# Altium PCB InfraredModule-批量.PcbDoc (part 1 of 2)
Units mm, origin at the board's own origin, x right, y up, seen from the top; angles counter-clockwise.
Board outline 90 x 53 mm, 2 copper layers (Top Layer, Bottom Layer); 324 components, 29 nets, 1102 pads, 540 vias.
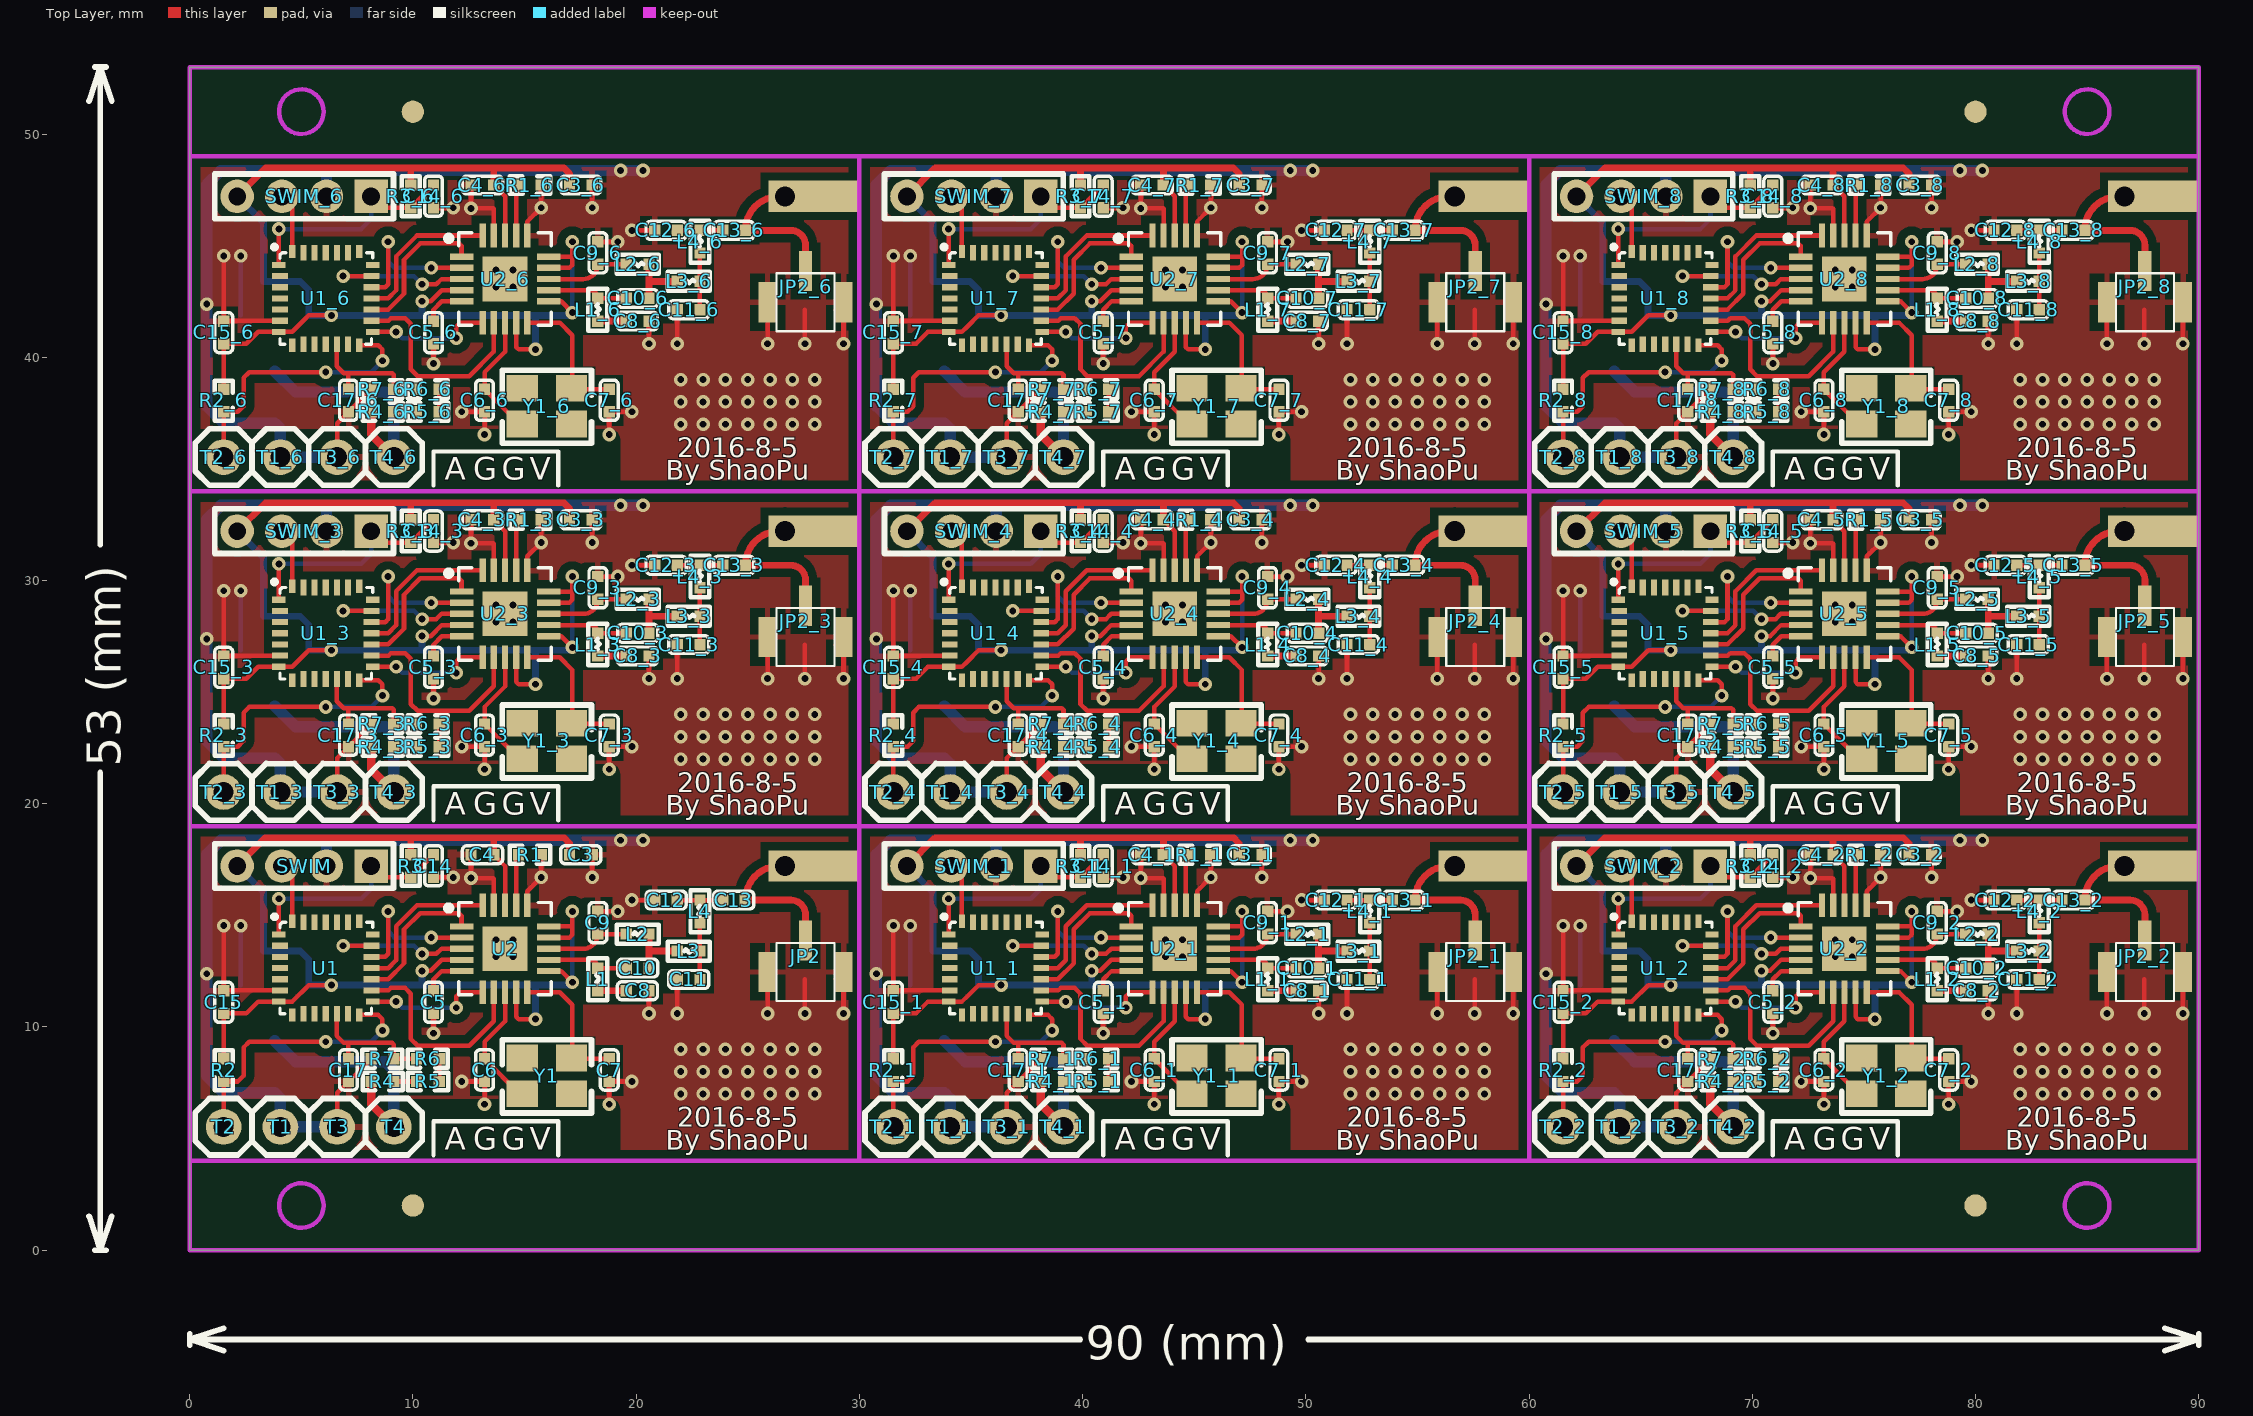
[diagram p0: Top Layer view]
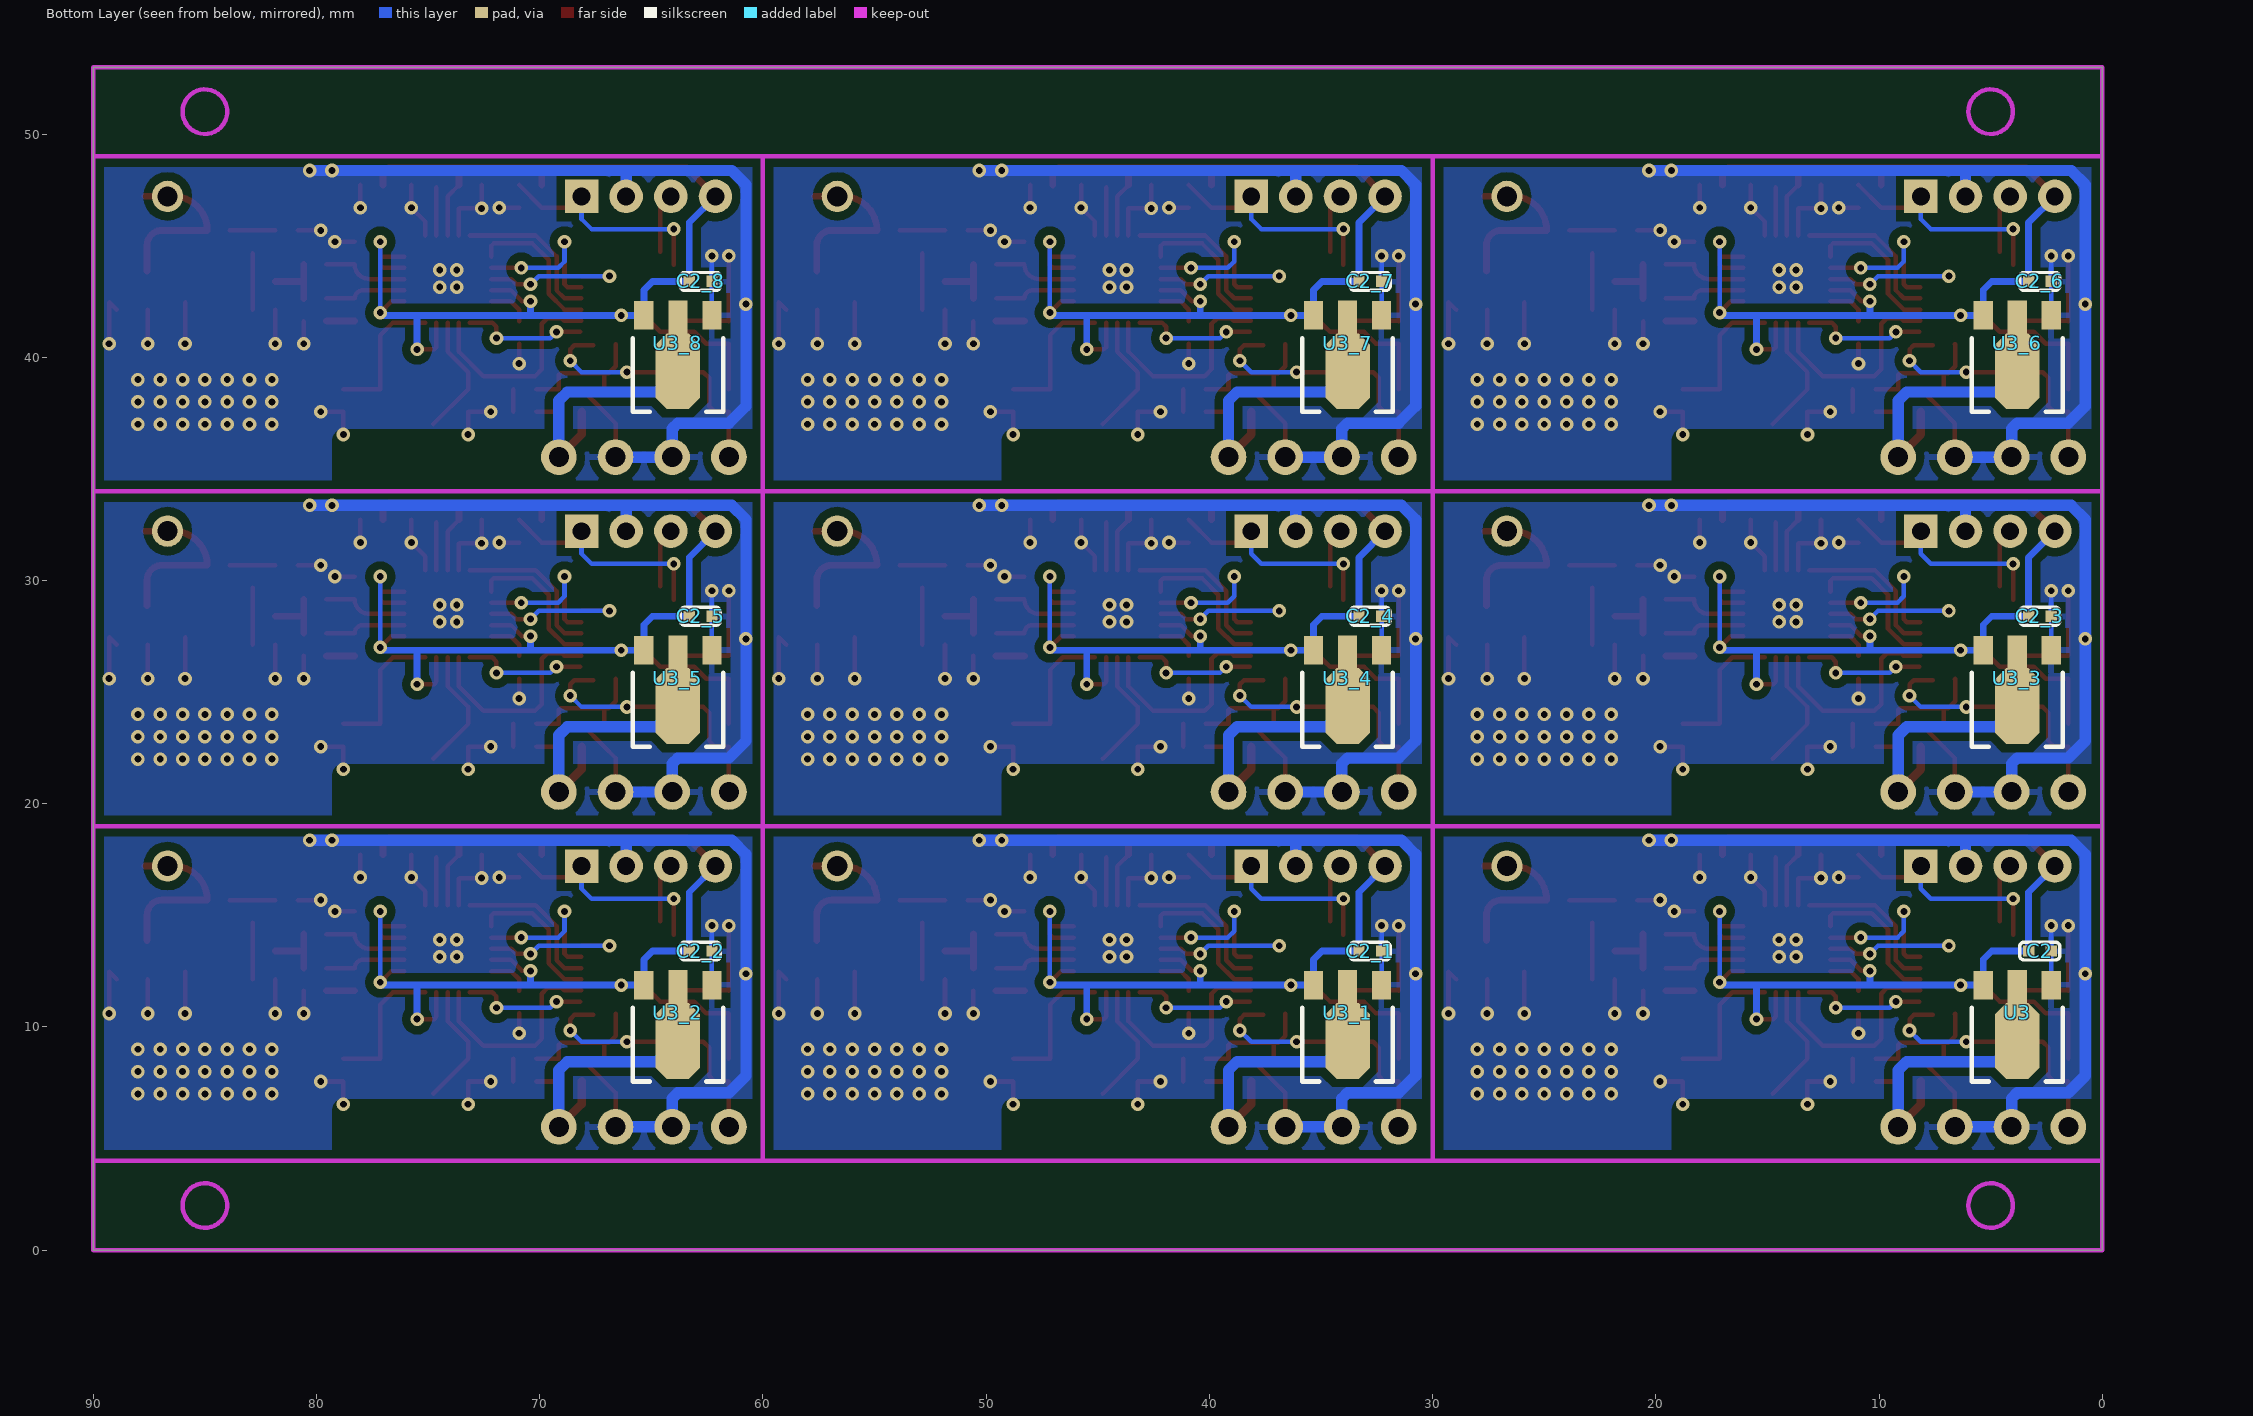
[diagram p1: Bottom Layer view, seen from below]

## Layer stack, top to bottom
Top Layer: signal copper 0.0356
Dielectric: dielectric 0.32, FR-4, Dk 4.8
Bottom Layer: signal copper 0.0356

## Board outline
0,0 0,53 90,53 90,0

## Design rules (kind name [scope] priority, off if disabled: settings)
Clearance "InPolygon TO InPolygon" [IsRegion vs InPolygon] p1: gap=0.762
Clearance Clearance_InPolygon [InPolygon] p2: gap=0.381
Clearance Clearance_IsKeepOut [IsKeepOut] p3: gap=0.152
Clearance Clearance_IsPad [IsPad] p4: gap=0.152
Clearance Clearance_IsVia [IsVia] p5: gap=0.152
Clearance [All] p6: gap=0.152
ComponentClearance [All] p1 off: gap=0.254 collisioncheckmode=3 verticalgap=0.254 showdistances=FALSE
HoleSize [All] p1: absolutevalues=TRUE maxlimit=5.08 minlimit=0.152 maxpercent=80.000 minpercent=20.000
HoleToHoleClearance [All] p1 off: gap=0.254 allowstackedmicrovias=TRUE
MinimumSolderMaskSliver [All] p1 off: minsoldermaskwidth=0.254
PlaneClearance [All] p1: clearance=0.305
PlaneConnect PlaneConnect_IsVia [IsVia] p1: planeconnectstyle=Direct reliefexpansion=0.508 reliefentries=4 reliefconductorwidth=0.254 reliefairgap=0.254
PlaneConnect [All] p2: planeconnectstyle=Relief reliefexpansion=0.508 reliefentries=4 reliefconductorwidth=0.254 reliefairgap=0.254
PolygonConnect PolygonConnect_Direct [InNetClass('去除地')] p1: connectstyle=Direct reliefconductorwidth=0.254 reliefentries=4 polygonreliefangle="90 Angle"
PolygonConnect PolygonConnect_IsVia [IsVia] p2: connectstyle=Direct reliefconductorwidth=0.254 reliefentries=4 polygonreliefangle="90 Angle"
PolygonConnect PolygonConnect_IsThruPin [IsThruPin vs InNet('GND')] p3: connectstyle=Relief reliefconductorwidth=0.254 reliefentries=4 polygonreliefangle="90 Angle"
PolygonConnect PolygonConnect_IsSMTPin [IsSMTPin vs InNet('GND')] p4: connectstyle=Relief reliefconductorwidth=0.254 reliefentries=4 polygonreliefangle="90 Angle"
RoutingVias [All] p1: holewidth=0.305 width=0.61 viastyle="Through Hole" minholewidth=0.305 minwidth=0.61 maxholewidth=5.08 maxwidth=12.7
SilkToSilkClearance [All] p1 off: silktosilkclearance=0.254
SilkscreenOverComponentPads [All] p1 off: minsilkscreentomaskgap=0.254
SolderMaskExpansion [All] p1: expansion=0.102
Width [All] p1: maxlimit=12.7 minlimit=0.152 preferedwidth=0.254
20 further rules are at their usual default settings.

## Classes and differential pairs
component class InfraredModule: C2 C3 C4 C5 C6 C7 C8 C9 C10 C11 C12 C13 C14 C15 C17 L1 L2 L3 L4 LED R1 R2 R3 R4 R5 R6 R7 R8 R9 SWIM T1 T2 T3 T4 U1 U2 U3 U4 Y1

## Components (designator, comment, footprint, x,y, rotation, side; value= is the part's Value field where it differs from the comment)
C2 "104" C0402 3.302,13.398 r180 bottom
C2_1 "104" C0402 33.302,13.398 r180 bottom (schematic designator C2)
C2_2 "104" C0402 63.302,13.398 r180 bottom (schematic designator C2)
C2_3 "104" C0402 3.302,28.398 r180 bottom (schematic designator C2)
C2_4 "104" C0402 33.302,28.398 r180 bottom (schematic designator C2)
C2_5 "104" C0402 63.302,28.398 r180 bottom (schematic designator C2)
C2_6 "104" C0402 3.302,43.398 r180 bottom (schematic designator C2)
C2_7 "104" C0402 33.302,43.398 r180 bottom (schematic designator C2)
C2_8 "104" C0402 63.302,43.398 r180 bottom (schematic designator C2)
C3 "104" C0402 17.018,17.716 r0 top
C3_1 "104" C0402 47.018,17.716 r0 top (schematic designator C3)
C3_2 "104" C0402 77.018,17.716 r0 top (schematic designator C3)
C3_3 "104" C0402 17.018,32.716 r0 top (schematic designator C3)
C3_4 "104" C0402 47.018,32.716 r0 top (schematic designator C3)
C3_5 "104" C0402 77.018,32.716 r0 top (schematic designator C3)
C3_6 "104" C0402 17.018,47.716 r0 top (schematic designator C3)
C3_7 "104" C0402 47.018,47.716 r0 top (schematic designator C3)
C3_8 "104" C0402 77.018,47.716 r0 top (schematic designator C3)
C4 "104" C0402 13.619,17.716 r180 top
C4_1 "104" C0402 43.619,17.716 r180 top (schematic designator C4)
C4_2 "104" C0402 73.619,17.716 r180 top (schematic designator C4)
C4_3 "104" C0402 13.619,32.716 r180 top (schematic designator C4)
C4_4 "104" C0402 43.619,32.716 r180 top (schematic designator C4)
C4_5 "104" C0402 73.619,32.716 r180 top (schematic designator C4)
C4_6 "104" C0402 13.619,47.716 r180 top (schematic designator C4)
C4_7 "104" C0402 43.619,47.716 r180 top (schematic designator C4)
C4_8 "104" C0402 73.619,47.716 r180 top (schematic designator C4)
C5 "104" C0402 10.922,10.604 r90 top
C5_1 "104" C0402 40.922,10.604 r90 top (schematic designator C5)
C5_2 "104" C0402 70.922,10.604 r90 top (schematic designator C5)
C5_3 "104" C0402 10.922,25.604 r90 top (schematic designator C5)
C5_4 "104" C0402 40.922,25.604 r90 top (schematic designator C5)
C5_5 "104" C0402 70.922,25.604 r90 top (schematic designator C5)
C5_6 "104" C0402 10.922,40.604 r90 top (schematic designator C5)
C5_7 "104" C0402 40.922,40.604 r90 top (schematic designator C5)
C5_8 "104" C0402 70.922,40.604 r90 top (schematic designator C5)
C6 "12pF" C0402 13.208,8.572 r270 top
C6_1 "12pF" C0402 43.208,8.572 r270 top (schematic designator C6)
C6_2 "12pF" C0402 73.208,8.572 r270 top (schematic designator C6)
C6_3 "12pF" C0402 13.208,23.572 r270 top (schematic designator C6)
C6_4 "12pF" C0402 43.208,23.572 r270 top (schematic designator C6)
C6_5 "12pF" C0402 73.208,23.572 r270 top (schematic designator C6)
C6_6 "12pF" C0402 13.208,38.572 r270 top (schematic designator C6)
C6_7 "12pF" C0402 43.208,38.572 r270 top (schematic designator C6)
C6_8 "12pF" C0402 73.208,38.572 r270 top (schematic designator C6)
C7 "15pF" C0402 18.796,8.572 r270 top
C7_1 "15pF" C0402 48.796,8.572 r270 top (schematic designator C7)
C7_2 "15pF" C0402 78.796,8.572 r270 top (schematic designator C7)
C7_3 "15pF" C0402 18.796,23.572 r270 top (schematic designator C7)
C7_4 "15pF" C0402 48.796,23.572 r270 top (schematic designator C7)
C7_5 "15pF" C0402 78.796,23.572 r270 top (schematic designator C7)
C7_6 "15pF" C0402 18.796,38.572 r270 top (schematic designator C7)
C7_7 "15pF" C0402 48.796,38.572 r270 top (schematic designator C7)
C7_8 "15pF" C0402 78.796,38.572 r270 top (schematic designator C7)
C8 "220pF" C0402 19.558,11.62 r0 top
C8_1 "220pF" C0402 49.558,11.62 r0 top (schematic designator C8)
C8_2 "220pF" C0402 79.558,11.62 r0 top (schematic designator C8)
C8_3 "220pF" C0402 19.558,26.62 r0 top (schematic designator C8)
C8_4 "220pF" C0402 49.558,26.62 r0 top (schematic designator C8)
C8_5 "220pF" C0402 79.558,26.62 r0 top (schematic designator C8)
C8_6 "220pF" C0402 19.558,41.62 r0 top (schematic designator C8)
C8_7 "220pF" C0402 49.558,41.62 r0 top (schematic designator C8)
C8_8 "220pF" C0402 79.558,41.62 r0 top (schematic designator C8)
C9 "3.9pF" C0402 18.288,15.176 r270 top
C9_1 "3.9pF" C0402 48.288,15.176 r270 top (schematic designator C9)
C9_2 "3.9pF" C0402 78.288,15.176 r270 top (schematic designator C9)
C9_3 "3.9pF" C0402 18.288,30.176 r270 top (schematic designator C9)
C9_4 "3.9pF" C0402 48.288,30.176 r270 top (schematic designator C9)
C9_5 "3.9pF" C0402 78.288,30.176 r270 top (schematic designator C9)
C9_6 "3.9pF" C0402 18.288,45.176 r270 top (schematic designator C9)
C9_7 "3.9pF" C0402 48.288,45.176 r270 top (schematic designator C9)
C9_8 "3.9pF" C0402 78.288,45.176 r270 top (schematic designator C9)
C10 "3.9pF" C0402 20.574,12.636 r180 top
C10_1 "3.9pF" C0402 50.574,12.636 r180 top (schematic designator C10)
C10_2 "3.9pF" C0402 80.574,12.636 r180 top (schematic designator C10)
C10_3 "3.9pF" C0402 20.574,27.636 r180 top (schematic designator C10)
C10_4 "3.9pF" C0402 50.574,27.636 r180 top (schematic designator C10)
C10_5 "3.9pF" C0402 80.574,27.636 r180 top (schematic designator C10)
C10_6 "3.9pF" C0402 20.574,42.636 r180 top (schematic designator C10)
C10_7 "3.9pF" C0402 50.574,42.636 r180 top (schematic designator C10)
C10_8 "3.9pF" C0402 80.574,42.636 r180 top (schematic designator C10)
C11 "8.2pF" C0402 22.86,12.128 r180 top
C11_1 "8.2pF" C0402 52.86,12.128 r180 top (schematic designator C11)
C11_2 "8.2pF" C0402 82.86,12.128 r180 top (schematic designator C11)
C11_3 "8.2pF" C0402 22.86,27.128 r180 top (schematic designator C11)
C11_4 "8.2pF" C0402 52.86,27.128 r180 top (schematic designator C11)
C11_5 "8.2pF" C0402 82.86,27.128 r180 top (schematic designator C11)
C11_6 "8.2pF" C0402 22.86,42.128 r180 top (schematic designator C11)
C11_7 "8.2pF" C0402 52.86,42.128 r180 top (schematic designator C11)
C11_8 "8.2pF" C0402 82.86,42.128 r180 top (schematic designator C11)
C12 "5.6pF" C0402 21.844,15.684 r180 top
C12_1 "5.6pF" C0402 51.844,15.684 r180 top (schematic designator C12)
C12_2 "5.6pF" C0402 81.844,15.684 r180 top (schematic designator C12)
C12_3 "5.6pF" C0402 21.844,30.684 r180 top (schematic designator C12)
C12_4 "5.6pF" C0402 51.844,30.684 r180 top (schematic designator C12)
C12_5 "5.6pF" C0402 81.844,30.684 r180 top (schematic designator C12)
C12_6 "5.6pF" C0402 21.844,45.684 r180 top (schematic designator C12)
C12_7 "5.6pF" C0402 51.844,45.684 r180 top (schematic designator C12)
C12_8 "5.6pF" C0402 81.844,45.684 r180 top (schematic designator C12)
C13 "220pF" C0402 23.876,15.684 r0 top
C13_1 "220pF" C0402 53.876,15.684 r0 top (schematic designator C13)
C13_2 "220pF" C0402 83.876,15.684 r0 top (schematic designator C13)
C13_3 "220pF" C0402 23.876,30.684 r0 top (schematic designator C13)
C13_4 "220pF" C0402 53.876,30.684 r0 top (schematic designator C13)
C13_5 "220pF" C0402 83.876,30.684 r0 top (schematic designator C13)
C13_6 "220pF" C0402 23.876,45.684 r0 top (schematic designator C13)
C13_7 "220pF" C0402 53.876,45.684 r0 top (schematic designator C13)
C13_8 "220pF" C0402 83.876,45.684 r0 top (schematic designator C13)
C14 "104" C0402 10.922,17.716 r270 top
C14_1 "104" C0402 40.922,17.716 r270 top (schematic designator C14)
C14_2 "104" C0402 70.922,17.716 r270 top (schematic designator C14)
C14_3 "104" C0402 10.922,32.716 r270 top (schematic designator C14)
C14_4 "104" C0402 40.922,32.716 r270 top (schematic designator C14)
C14_5 "104" C0402 70.922,32.716 r270 top (schematic designator C14)
C14_6 "104" C0402 10.922,47.716 r270 top (schematic designator C14)
C14_7 "104" C0402 40.922,47.716 r270 top (schematic designator C14)
C14_8 "104" C0402 70.922,47.716 r270 top (schematic designator C14)
C15 "104" C0402 1.524,10.604 r90 top
C15_1 "104" C0402 31.524,10.604 r90 top (schematic designator C15)
C15_2 "104" C0402 61.524,10.604 r90 top (schematic designator C15)
C15_3 "104" C0402 1.524,25.604 r90 top (schematic designator C15)
C15_4 "104" C0402 31.524,25.604 r90 top (schematic designator C15)
C15_5 "104" C0402 61.524,25.604 r90 top (schematic designator C15)
C15_6 "104" C0402 1.524,40.604 r90 top (schematic designator C15)
C15_7 "104" C0402 31.524,40.604 r90 top (schematic designator C15)
C15_8 "104" C0402 61.524,40.604 r90 top (schematic designator C15)
C17 "104" C0402 7.112,8.572 r270 top
C17_1 "104" C0402 37.112,8.572 r270 top (schematic designator C17)
C17_2 "104" C0402 67.112,8.572 r270 top (schematic designator C17)
C17_3 "104" C0402 7.112,23.572 r270 top (schematic designator C17)
C17_4 "104" C0402 37.112,23.572 r270 top (schematic designator C17)
C17_5 "104" C0402 67.112,23.572 r270 top (schematic designator C17)
C17_6 "104" C0402 7.112,38.572 r270 top (schematic designator C17)
C17_7 "104" C0402 37.112,38.572 r270 top (schematic designator C17)
C17_8 "104" C0402 67.112,38.572 r270 top (schematic designator C17)
JP2 "IPEX" IPEX 27.589,14.266 r270 top
JP2_1 "IPEX" IPEX 57.589,14.266 r270 top
JP2_2 "IPEX" IPEX 87.589,14.266 r270 top
JP2_3 "IPEX" IPEX 27.589,29.266 r270 top
JP2_4 "IPEX" IPEX 57.589,29.266 r270 top
JP2_5 "IPEX" IPEX 87.589,29.266 r270 top
JP2_6 "IPEX" IPEX 27.589,44.266 r270 top